# KiCad board nf_tpu.kicad_pcb (continued)
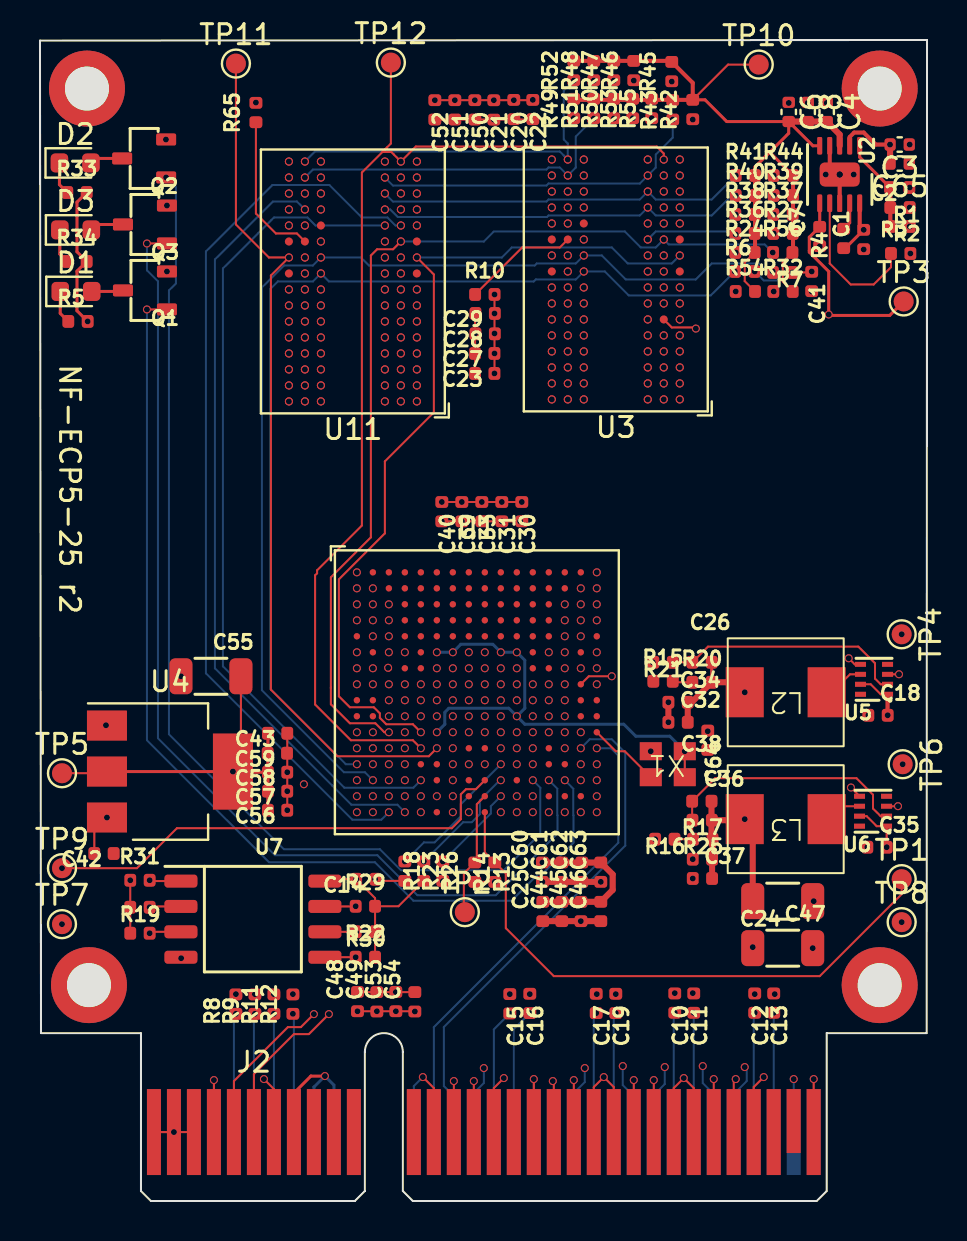
[diagram p0: board, top side]
## Footprints (pads in the part's own frame, mm; a bottom-side part is the same pattern mirrored in y, then rotated)
BGA-96_9.0x13.0mm_Layout2x3x16_P0.8mm
  round 0.4 smd: A1(-3.2,6) A2(-2.4,6) A3(-1.6,6) A7(1.6,6) A8(2.4,6) A9(3.2,6) B1(-3.2,5.2) B2(-2.4,5.2) B3(-1.6,5.2) B7(1.6,5.2) B8(2.4,5.2) B9(3.2,5.2) C1(-3.2,4.4) C2(-2.4,4.4) C3(-1.6,4.4) C7(1.6,4.4) C8(2.4,4.4) C9(3.2,4.4) D1(-3.2,3.6) D2(-2.4,3.6) D3(-1.6,3.6) D7(1.6,3.6) D8(2.4,3.6) D9(3.2,3.6) E1(-3.2,2.8) E2(-2.4,2.8) E3(-1.6,2.8) E7(1.6,2.8) E8(2.4,2.8) E9(3.2,2.8) F1(-3.2,2) F2(-2.4,2) F3(-1.6,2) F7(1.6,2) F8(2.4,2) F9(3.2,2) G1(-3.2,1.2) G2(-2.4,1.2) G3(-1.6,1.2) G7(1.6,1.2) G8(2.4,1.2) G9(3.2,1.2) H1(-3.2,0.4) H2(-2.4,0.4) H3(-1.6,0.4) H7(1.6,0.4) H8(2.4,0.4) H9(3.2,0.4) J1(-3.2,-0.4) J2(-2.4,-0.4) J3(-1.6,-0.4) J7(1.6,-0.4) J8(2.4,-0.4) J9(3.2,-0.4) K1(-3.2,-1.2) K2(-2.4,-1.2) K3(-1.6,-1.2) K7(1.6,-1.2) K8(2.4,-1.2) K9(3.2,-1.2) L1(-3.2,-2) L2(-2.4,-2) L3(-1.6,-2) L7(1.6,-2) L8(2.4,-2) L9(3.2,-2) M1(-3.2,-2.8) M2(-2.4,-2.8) M3(-1.6,-2.8) M7(1.6,-2.8) M8(2.4,-2.8) M9(3.2,-2.8) N1(-3.2,-3.6) N2(-2.4,-3.6) N3(-1.6,-3.6) N7(1.6,-3.6) N8(2.4,-3.6) N9(3.2,-3.6) P1(-3.2,-4.4) P2(-2.4,-4.4) P3(-1.6,-4.4) P7(1.6,-4.4) P8(2.4,-4.4) P9(3.2,-4.4) R1(-3.2,-5.2) R2(-2.4,-5.2) R3(-1.6,-5.2) R7(1.6,-5.2) R8(2.4,-5.2) R9(3.2,-5.2) T1(-3.2,-6) T2(-2.4,-6) T3(-1.6,-6) T7(1.6,-6) T8(2.4,-6) T9(3.2,-6)
BGA-256_14.0x14.0mm_Layout16x16_P0.8mm_Ball0.45mm_Pad0.32mm_NSMD
  round 0.32 smd: A1(-6,6) A2(-5.2,6) A3(-4.4,6) A4(-3.6,6) A5(-2.8,6) A6(-2,6) A7(-1.2,6) A8(-0.4,6) A9(0.4,6) A10(1.2,6) A11(2,6) A12(2.8,6) A13(3.6,6) A14(4.4,6) A15(5.2,6) A16(6,6) B1(-6,5.2) B2(-5.2,5.2) B3(-4.4,5.2) B4(-3.6,5.2) B5(-2.8,5.2) B6(-2,5.2) B7(-1.2,5.2) B8(-0.4,5.2) B9(0.4,5.2) B10(1.2,5.2) B11(2,5.2) B12(2.8,5.2) B13(3.6,5.2) B14(4.4,5.2) B15(5.2,5.2) B16(6,5.2) C1(-6,4.4) C2(-5.2,4.4) C3(-4.4,4.4) C4(-3.6,4.4) C5(-2.8,4.4) C6(-2,4.4) C7(-1.2,4.4) C8(-0.4,4.4) C9(0.4,4.4) C10(1.2,4.4) C11(2,4.4) C12(2.8,4.4) C13(3.6,4.4) C14(4.4,4.4) C15(5.2,4.4) C16(6,4.4) D1(-6,3.6) D2(-5.2,3.6) D3(-4.4,3.6) D4(-3.6,3.6) D5(-2.8,3.6) D6(-2,3.6) D7(-1.2,3.6) D8(-0.4,3.6) D9(0.4,3.6) D10(1.2,3.6) D11(2,3.6) D12(2.8,3.6) D13(3.6,3.6) D14(4.4,3.6) D15(5.2,3.6) D16(6,3.6) E1(-6,2.8) E2(-5.2,2.8) E3(-4.4,2.8) E4(-3.6,2.8) E5(-2.8,2.8) E6(-2,2.8) E7(-1.2,2.8) E8(-0.4,2.8) E9(0.4,2.8) E10(1.2,2.8) E11(2,2.8) E12(2.8,2.8) E13(3.6,2.8) E14(4.4,2.8) E15(5.2,2.8) E16(6,2.8) F1(-6,2) F2(-5.2,2) F3(-4.4,2) F4(-3.6,2) F5(-2.8,2) F6(-2,2) F7(-1.2,2) F8(-0.4,2) F9(0.4,2) F10(1.2,2) F11(2,2) F12(2.8,2) F13(3.6,2) F14(4.4,2) F15(5.2,2) F16(6,2) G1(-6,1.2) G2(-5.2,1.2) G3(-4.4,1.2) G4(-3.6,1.2) G5(-2.8,1.2) G6(-2,1.2) G7(-1.2,1.2) G8(-0.4,1.2) G9(0.4,1.2) G10(1.2,1.2) G11(2,1.2) G12(2.8,1.2) G13(3.6,1.2) G14(4.4,1.2) G15(5.2,1.2) G16(6,1.2) H1(-6,0.4) H2(-5.2,0.4) H3(-4.4,0.4) H4(-3.6,0.4) H5(-2.8,0.4) H6(-2,0.4) H7(-1.2,0.4) H8(-0.4,0.4) H9(0.4,0.4) H10(1.2,0.4) H11(2,0.4) H12(2.8,0.4) H13(3.6,0.4) H14(4.4,0.4) H15(5.2,0.4) H16(6,0.4) J1(-6,-0.4) J2(-5.2,-0.4) J3(-4.4,-0.4) J4(-3.6,-0.4) J5(-2.8,-0.4) J6(-2,-0.4) J7(-1.2,-0.4) J8(-0.4,-0.4) J9(0.4,-0.4) J10(1.2,-0.4) J11(2,-0.4) J12(2.8,-0.4) J13(3.6,-0.4) J14(4.4,-0.4) J15(5.2,-0.4) J16(6,-0.4) K1(-6,-1.2) K2(-5.2,-1.2) K3(-4.4,-1.2) K4(-3.6,-1.2) K5(-2.8,-1.2) K6(-2,-1.2) K7(-1.2,-1.2) K8(-0.4,-1.2) K9(0.4,-1.2) K10(1.2,-1.2) K11(2,-1.2) K12(2.8,-1.2) K13(3.6,-1.2) K14(4.4,-1.2) K15(5.2,-1.2) K16(6,-1.2) L1(-6,-2) L2(-5.2,-2) L3(-4.4,-2) L4(-3.6,-2) L5(-2.8,-2) L6(-2,-2) L7(-1.2,-2) L8(-0.4,-2) L9(0.4,-2) L10(1.2,-2) L11(2,-2) L12(2.8,-2) L13(3.6,-2) L14(4.4,-2) L15(5.2,-2) L16(6,-2) M1(-6,-2.8) M2(-5.2,-2.8) M3(-4.4,-2.8) M4(-3.6,-2.8) M5(-2.8,-2.8) M6(-2,-2.8) M7(-1.2,-2.8) M8(-0.4,-2.8) M9(0.4,-2.8) M10(1.2,-2.8) M11(2,-2.8) M12(2.8,-2.8) M13(3.6,-2.8) M14(4.4,-2.8) M15(5.2,-2.8) M16(6,-2.8) N1(-6,-3.6) N2(-5.2,-3.6) N3(-4.4,-3.6) N4(-3.6,-3.6) N5(-2.8,-3.6) N6(-2,-3.6) N7(-1.2,-3.6) N8(-0.4,-3.6) N9(0.4,-3.6) N10(1.2,-3.6) N11(2,-3.6) N12(2.8,-3.6) N13(3.6,-3.6) N14(4.4,-3.6) N15(5.2,-3.6) N16(6,-3.6) P1(-6,-4.4) P2(-5.2,-4.4) P3(-4.4,-4.4) P4(-3.6,-4.4) P5(-2.8,-4.4) P6(-2,-4.4) P7(-1.2,-4.4) P8(-0.4,-4.4) P9(0.4,-4.4) P10(1.2,-4.4) P11(2,-4.4) P12(2.8,-4.4) P13(3.6,-4.4) P14(4.4,-4.4) P15(5.2,-4.4) P16(6,-4.4) R1(-6,-5.2) R2(-5.2,-5.2) R3(-4.4,-5.2) R4(-3.6,-5.2) R5(-2.8,-5.2) R6(-2,-5.2) R7(-1.2,-5.2) R8(-0.4,-5.2) R9(0.4,-5.2) R10(1.2,-5.2) R11(2,-5.2) R12(2.8,-5.2) R13(3.6,-5.2) R14(4.4,-5.2) R15(5.2,-5.2) R16(6,-5.2) T1(-6,-6) T2(-5.2,-6) T3(-4.4,-6) T4(-3.6,-6) T5(-2.8,-6) T6(-2,-6) T7(-1.2,-6) T8(-0.4,-6) T9(0.4,-6) T10(1.2,-6) T11(2,-6) T12(2.8,-6) T13(3.6,-6) T14(4.4,-6) T15(5.2,-6) T16(6,-6)
BUS_PCIexpress_x4
  rect 0.7x3.2 smd far side: A1(0,0.55)
  rect 0.7x4.3 smd far side: A2(1,0) A3(2,0) A4(3,0) A5(4,0) A6(5,0) A7(6,0) A8(7,0) A9(8,0) A10(9,0) A11(10,0) A12(13,0) A13(14,0) A14(15,0) A15(16,0) A16(17,0) A17(18,0) A18(19,0) A19(20,0) A20(21,0) A21(22,0) A22(23,0) A23(24,0) A24(25,0) A25(26,0) A26(27,0) A27(28,0) A28(29,0) A29(30,0) A30(31,0) A31(32,0) A32(33,0)
  rect 0.7x4.3 smd: B1(0,0) B2(1,0) B3(2,0) B4(3,0) B5(4,0) B6(5,0) B7(6,0) B8(7,0) B9(8,0) B10(9,0) B11(10,0) B12(13,0) B13(14,0) B14(15,0) B15(16,0) B16(17,0) B17(18,0) B18(19,0) B19(20,0) B20(21,0) B21(22,0) B22(23,0) B23(24,0) B24(25,0) B25(26,0) B26(27,0) B27(28,0) B28(29,0) B29(30,0) B30(31,0) B32(33,0)
  rect 0.7x3.2 smd: B31(32,0.55)
C_0402_1005Metric
  rrect 0.59x0.64 smd: 1(-0.484,0) 2(0.484,0)
C_1206_3216Metric
  rrect 1.15x1.8 smd: 1(-1.5,-0.001) 2(1.5,-0.001)
LED_0603_1608Metric
  rrect 0.875x0.95 smd: 1(-0.787,0) 2(0.787,0)
MHCI05030
  rect 1.9x2.5 smd: 1(-2,0) 2(2.1,0)
MountingHole_2.2mm_M2_DIN965_Pad
  round 3.8 hole 2.2: 1(0,0)
nf_osci_100mhz
  rect 1.1x0.9 smd: 1(-0.9,-0.6) 2(0.8,-0.6) 3(0.8,0.7) 4(-0.9,0.7)
QFN-8_2x1mm
  rect 0.55x0.25 smd: 1(-0.677,0.75) 2(-0.677,0.25) 3(-0.677,-0.248) 4(-0.677,-0.748) 5(0.675,-0.748) 6(0.675,-0.248) 7(0.675,0.25) 8(0.675,0.75)
R_0402_1005Metric
  rrect 0.59x0.64 smd: 1(-0.485,0) 2(0.485,0)
SOIC-8-1EP_5.3x5.3x2mm_P1.27mm
  rrect 1.65x0.65 smd: 1(-3.601,1.905) 2(-3.601,0.635) 3(-3.601,-0.633) 4(-3.601,-1.904) 5(3.6,-1.904) 6(3.6,-0.633) 7(3.6,0.635) 8(3.6,1.905)
SOT-23-3
  rrect 1x0.6 smd: 1(-1.1,0.951) 2(-1.1,-0.949) 3(1.1,0.001)
SOT-223-3_TabPin2
  rect 2x1.5 smd: 1(-3.15,2.3) 2(-3.15,0) 3(-3.15,-2.3)
  rect 2x3.8 smd: 2(3.15,0)
TestPoint_Pad_D1.0mm
  round 1 smd: 1(0,0)
VSON-10-1EP_3x3mm
  rrect 0.48x0.81 smd: (-0.3,0.51) (-0.3,-0.488) (0.299,0.51) (0.299,-0.488)
  rrect 0.875x0.25 smd: 1(-1.438,1.01) 2(-1.438,0.51) 3(-1.438,0.011) 4(-1.438,-0.488) 5(-1.438,-0.988) 6(1.437,-0.988) 7(1.437,-0.488) 8(1.437,0.011) 9(1.437,0.51) 10(1.437,1.01)
  rrect 1.2x2 smd: 11(0,0.011)

## Nets
GND: C1.1 C2.1 C3.1 C4.1 C6.1 C7.1 C8.1 C14.1 C18.1 C20.1 C21.1 C22.1 C23.1 C24.1 C25.1 C27.1 C28.1 C29.1 C30.1 C31.1 C32.1 C33.1 C34.1 C35.1 C37.1 C38.1 C39.1 C40.1 C41.2 C43.1 C44.1 C45.1 C46.1 C47.1 C48.1 C49.1 C50.1 C51.1 C52.1 C53.1 C54.1 C55.1 C56.1 C57.1 C58.1 C59.1 C60.1 C61.1 C62.1 C63.1 C64.1 C65.1 J2.A4 J2.A12 J2.A15 J2.A18 J2.A20 J2.A23 J2.A24 J2.A27 J2.A28 J2.A31 J2.B4 J2.B7 J2.B13 J2.B16 J2.B18 J2.B21 J2.B22 J2.B25 J2.B26 J2.B29 J2.B32 NOREF.1 NOREF#2.1 NOREF#3.1 NOREF#4.1 Q1.2 Q2.2 Q3.2 R2.1 R10.2 R16.2 R18.2 R21.2 R26.2 R65.2 TP8.1 U1.A1 U1.A16 U1.D2 U1.D15 U1.F8 U1.F9 U1.G8 U1.G10 U1.H1 U1.H8 U1.H9 U1.H10 U1.H16 U1.J8 U1.J9 U1.J10 U1.K6 U1.K7 U1.K8 U1.K9 U1.K10 U1.N2 U1.N15 U1.T1 U1.T5 U1.T12 U1.T16 U2.4 U2.8 U2.11 U3.A9 U3.B1 U3.B3 U3.B9 U3.D1 U3.D8 U3.E1 U3.E2 U3.E8 U3.F9 U3.G1 U3.G8 U3.G9 U3.J2 U3.J8 U3.M1 U3.M9 U3.P1 U3.P9 U3.T1 U3.T9 U4.1 U5.3 U5.5 U6.3 U6.5 U7.4 U11.A9 U11.B1 U11.B3 U11.B9 U11.D1 U11.D8 U11.E1 U11.E2 U11.E8 U11.F9 U11.G1 U11.G8 U11.G9 U11.J2 U11.J8 U11.M1 U11.M9 U11.P1 U11.P9 U11.T1 U11.T9 X1.2
VCC3V3: C1.2 C14.2 C18.2 C35.2 C42.2 C47.2 C48.2 C49.2 C53.2 C54.2 C64.2 J2.A9 J2.A10 J2.B8 R3.2 R4.1 R5.2 R13.2 R14.2 R19.2 R22.2 R23.2 R28.2 R29.2 R30.1 R31.1 R33.2 R34.2 TP7.1 U1.F6 U1.F7 U1.F10 U1.F11 U1.K11 U1.L6 U1.L11 U2.10 U4.3 U5.1 U5.7 U6.1 U6.7 U7.8 X1.1 X1.4
VCCAUX: C43.2 C55.2 C56.2 C57.2 C58.2 C59.2 TP5.1 U1.G11 U1.L7 U4.2
VCCDDR3: C3.2 C20.2 C21.2 C22.2 C23.2 C26.2 C27.2 C28.2 C29.2 C30.2 C31.2 C32.2 C33.2 C34.2 C39.2 C40.2 C50.2 C51.2 C52.2 C65.2 L2.2 R1.1 R20.2 TP4.1 U1.H6 U1.H7 U1.H11 U1.J6 U1.J7 U1.J11 U2.2 U3.A1 U3.A8 U3.B2 U3.C1 U3.C9 U3.D2 U3.D9 U3.E9 U3.F1 U3.G7 U3.H2 U3.H9 U3.K2 U3.K8 U3.N1 U3.N9 U3.R1 U3.R9 U11.A1 U11.A8 U11.B2 U11.C1 U11.C9 U11.D2 U11.D9 U11.E9 U11.F1 U11.G7 U11.H2 U11.H9 U11.K2 U11.K8 U11.N1 U11.N9 U11.R1 U11.R9
VCCINT: C24.2 C25.2 C36.2 C37.2 C38.2 C44.2 C45.2 C46.2 C60.2 C61.2 C62.2 C63.2 L3.2 R17.1 R25.1 TP6.1 U1.G6 U1.G7 U1.G9 U1.L8 U1.L9 U1.L10
A0: R40.1 U1.M1 U3.N3 U11.N3
A1: R50.1 U1.L4 U3.P7 U11.P7
A2: R41.1 U1.P3 U3.P3 U11.P3
A3: R39.1 U1.N3 U3.N2 U11.N2
A4: R47.1 U1.M3 U3.P8 U11.P8
A5: R44.1 U1.P1 U3.P2 U11.P2
A6: R51.1 U1.R5 U3.R8 U11.R8
A7: R42.1 U1.R2 U3.R2 U11.R2
A8: R52.1 U1.R4 U3.T8 U11.T8
A9: R43.1 U1.P4 U3.R3 U11.R3
A10: R55.1 U1.K5 U3.L7 U11.L7
A11: R48.1 U1.N4 U3.R7 U11.R7
A12: R53.1 U1.K4 U3.N7 U11.N7
A13: R45.1 U1.R3 U3.T3 U11.T3
A14: R49.1 U1.T2 U3.T7 U11.T7
BA0: R37.1 U1.T3 U3.M2 U11.M2
BA1: R46.1 U1.T4 U3.N8 U11.N8
BA2: R38.1 U1.P5 U3.M3 U11.M3
CAS_N: R27.1 U1.L1 U3.K3 U11.K3
CK+: R6.1 U1.N1 U3.J7 U11.J7
CK-: R7.2 U1.P2 U3.K7 U11.K7
CKE: R54.1 TP11.1 U1.M6 U3.K9 U11.K9
CS_N: R56.1 U1.L3 U3.L2 U11.L2
DDR3_VREF: C7.2 TP3.1 U1.G3 U1.G14 U1.R1 U2.6 U3.H1 U3.M8 U11.H1 U11.M8
DDR3_VTT: C4.2 C6.2 C8.2 R24.2 R27.2 R32.2 R36.2 R37.2 R38.2 R39.2 R40.2 R41.2 R42.2 R43.2 R44.2 R45.2 R46.2 R47.2 R48.2 R49.2 R50.2 R51.2 R52.2 R53.2 R54.2 R55.2 R56.2 TP10.1 U2.3 U2.5
DM0: U1.H5 U11.E7
DM1: U1.B1 U11.D3
DM2: U1.K14 U3.E7
DM3: U1.E14 U3.D3
DQ0: U1.F1 U11.E3
DQ1: U1.H4 U11.F7
DQ2: U1.G2 U11.F2
DQ3: U1.J4 U11.F8
DQ4: U1.J3 U11.H3
DQ5: U1.K3 U11.H8
DQ6: U1.H3 U11.G2
DQ7: U1.J5 U11.H7
DQ8: U1.D3 U11.D7
DQ9: U1.C1 U11.C3
DQ10: U1.E3 U11.C8
DQ11: U1.C2 U11.C2
DQ12: U1.F4 U11.A7
DQ13: U1.C3 U11.A2
DQ14: U1.F3 U11.B8
DQ15: U1.B2 U11.A3
DQ16: U1.F16 U3.E3
DQ17: U1.H14 U3.F7
DQ18: U1.G15 U3.F2
DQ19: U1.H13 U3.F8
DQ20: U1.J13 U3.H3
DQ21: U1.H12 U3.H8
DQ22: U1.J14 U3.G2
DQ23: U1.J12 U3.H7
DQ24: U1.F14 U3.D7
DQ25: U1.C14 U3.C3
DQ26: U1.F13 U3.C8
DQ27: U1.C15 U3.C2
DQ28: U1.B16 U3.A7
DQ29: U1.B15 U3.A2
DQ30: U1.C16 U3.B8
DQ31: U1.D14 U3.A3
DQS0+: U1.G1 U11.F3
DQS0-: U1.H2 U11.G3
DQS1+: U1.D1 U11.C7
DQS1-: U1.E2 U11.B7
DQS2+: U1.G16 U3.F3
DQS2-: U1.H15 U3.G3
DQS3+: U1.D16 U3.C7
DQS3-: U1.E15 U3.B7
ext_clk: U1.L16 X1.3
FPGA_DONE: TP9.1 U1.P9
JTAG_TCK: R8.2 U1.T10
JTAG_TDI: R9.2 U1.R11
JTAG_TDO: R11.2 U1.M10
JTAG_TMS: R12.2 U1.T11
ODT: R32.1 U1.L5 U3.K1 U11.K1
pcie_3v3_aux: J2.B10
pcie_12v: J2.A2 J2.A3 J2.B1 J2.B2 J2.B3
pcie_r0+: J2.B14 U1.N16
pcie_r0-: J2.B15 U1.P15
pcie_r1+: J2.B19 U1.P16
pcie_r1-: J2.B20 U1.R16
pcie_r2+: J2.B23 U1.K12
pcie_r2-: J2.B24 U1.K13
pcie_r3+: J2.B27 U1.M14
pcie_r3-: J2.B28 U1.L14
pcie_refclk+: J2.A13 U1.M16
pcie_refclk-: J2.A14 U1.M15
pcie_smclk: J2.B5 U1.M11
pcie_smdat: J2.B6 U1.N11
pcie_t0+: C15.1 U1.R12
pcie_t0-: C16.1 U1.T13
pcie_t1+: C17.1 U1.T14
pcie_t1-: C19.1 U1.T15
pcie_t2+: C10.1 U1.M12
pcie_t2-: C11.1 U1.N12
pcie_t3+: C12.1 U1.L12
pcie_t3-: C13.1 U1.L13
QSPI0_CLK: R30.2 U1.N9 U7.6
QSPI0_CS_N: R31.2 U1.N8 U7.1
QSPI0_D0: R22.1 U1.T8 U7.5
QSPI0_D1: R19.1 U1.T7 U7.2
QSPI0_D2: R28.1 U1.M7 U7.3
QSPI0_D3: R29.1 U1.N7 U7.7
RAS_N: R24.1 U1.L2 U3.J3 U11.J3
RESET_N: TP12.1 U1.M5 U3.T2 U11.T2
USR_LED0: Q2.1 U1.P12
USR_LED1: Q3.1 U1.P13
USR_LED2: Q1.1 U1.P14
WE_N: R36.1 U1.M2 U3.L3 U11.L3
Net-(C41-Pad1): C41.1 R6.2 R7.1
Net-(D1-Pad1): D1.1 R5.1
Net-(D2-Pad1): D2.1 R33.1
Net-(D3-Pad1): D3.1 R34.1
Net-(J2-JTAG2): J2.A5 R8.1
Net-(J2-JTAG3): J2.A6 R9.1
Net-(J2-JTAG4): J2.A7 R11.1
Net-(J2-JTAG5): J2.A8 R12.1
Net-(J2-PERn0): C16.2 J2.A17
Net-(J2-PERn1): C19.2 J2.A22
Net-(J2-PERn2): C11.2 J2.A26
Net-(J2-PERn3): C13.2 J2.A30
Net-(J2-PERp0): C15.2 J2.A16
Net-(J2-PERp1): C17.2 J2.A21
Net-(J2-PERp2): C10.2 J2.A25
Net-(J2-PERp3): C12.2 J2.A29
Net-(Q1-D): D1.2 Q1.3
Net-(Q2-D): D2.2 Q2.3
Net-(Q3-D): D3.2 Q3.3
Net-(R15-Pad2): R15.2 R20.1
Net-(U1H-CFG_0): R18.1 U1.N10
Net-(U1H-CFG_1): R23.1 U1.P10
Net-(U1H-CFG_2): R26.1 U1.R10
Net-(U1H-INITN): R13.1 TP1.1 U1.T9
Net-(U1H-PROGRAMN): R14.1 TP2.1 U1.R9
Net-(U2-EN): R3.1 U2.7
Net-(U2-PGOOD): R4.2 U2.9
Net-(U2-REFIN): C2.2 R1.2 R2.2 U2.1
Net-(U3-ZQ): R10.1 U3.L8
Net-(U5-FB): C26.1 R15.1 R21.1 U5.2
Net-(U5-SW): L2.1 U5.6
Net-(U6-FB): C36.1 R16.1 R17.2 R25.2 U6.2
Net-(U6-SW): L3.1 U6.6
Net-(U11-ZQ): R65.1 U11.L8

Pads without a net: C42 1; J2 A1 A11 A19 A32 B9 B11 B12 B17 B30 B31; U1 A2 A3 A4 A5 A6 A7 A8 A9 A10 A11 A12 A13 A14 A15 B3 B4 B5 B6 B7 B8 B9 B10 B11 B12 B13 B14 C4 C5 C6 C7 C8 C9 C10 C11 C12 C13 D4 D5 D6 D7 D8 D9 D10 D11 D12 D13 E1 E4 E5 E6 E7 E8 E9 E10 E11 E12 E13 E16 F2 F5 F12 F15 G4 G5 G12 G13 J1 J2 J15 J16 K1 K2 K15 K16 L15 M4 M8 M9 M13 N5 N6 N13 N14 P6 P7 P8 P11 R6 R7 R8 R13 R14 R15 T6; U3 J1 J9 L1 L9 M7; U5 4 8; U6 4 8; U11 J1 J9 L1 L9 M7

## Via types
v1: diameter 0.4, hole 0.3, Top to Bottom, 534 vias

## Routing (per net, layer and track width the routed paths; a pad name or vN(x,y) marks a point on that pad's centre or on a via; arc(x,y) is an arc through that point)
GND: length 116.9
  Top w0.1: J2.B16 22.7,5.65 v1(23.2,6.15) ; v1(15.88,9.49) v1(16.85,9.49) ; v1(16.85,9.49) 18.74,9.49 v1(18.75,9.48) ; v1(16.85,9.49) C49.1 ; J2.B13 19.7,5.65 v1(19.15,6.2) ; v1(42.92,19.75) 42.91,19.75 U6.3 42.19,19.75 ; C1.1 v1(41.2,47.6) ; J2.B21 27.7,5.7 v1(28.2,6.2) 28.7,5.7 J2.B22 ; 10.8,54.94 v1(10.8,54.95) ; v1(11.2,6.1) 11.7,5.6 J2.B7 ; v1(22.73,44.4) v1(22.73,43.4) ; v1(22.73,44.4) v1(22.73,45.35) ; v1(22.73,44.4) C29.1 ; v1(22.73,43.4) 22.75,43.39 C28.1 ; v1(22.73,43.4) v1(22.73,42.4) ; R26.2 v1(20.15,16) ; 41.1,20.25 41,20.25 v1(40.56,20.68) ; 43.48,52.85 v1(43.5,52.85) ; C2.1 v1(43.5,50.7) ; v1(24.65,55.08) 24.63,55.07 v1(23.7,55.07) ; J2.B26 32.7,5.65 v1(32.2,6.15) 31.7,5.65 J2.B25 ; 38.65,15 v1(38.7,15) ; R18.2 16.86,16.02 C14.1 v1(16.76,16.1) ; 41.31,17.7 v1(41.38,17.7) 41.37,17.7 41.37,17.7 ; v1(42.97,26.35) 42.96,26.35 U5.3 ; C20.1 v1(23.7,55.07) ; v1(23.7,55.07) v1(22.7,55.07) ; v1(7.06,12.15) 7.05,12.16 U7.4 ; J2.A4 v1(8.7,6.05) ; v1(36.2,6.2) 35.7,5.7 J2.B29 ; Q2.2 6.3,53.1 v1(6.3,53.1) ; v1(40.45,27.15) 40.75,26.85 U5.5 ; C4.1 v1(39.35,54.93) ; J2.A18 v1(24.7,6.1) ; v1(22.7,55.07) v1(19.75,55.07) ; v1(22.7,55.07) C21.1 ; 38.8,47.62 38.8,47.6 ; C27.1 v1(22.73,42.4) ; v1(22.73,42.4) 22.73,41.4 v1(22.73,41.4) ; C64.1 v1(33.4,23.5) ; C6.1 v1(37.45,54.93) ; J2.B32 v1(38.7,6.1) ; C8.1 v1(38.4,54.93) ; v1(12.37,19.55) C43.1 ; v1(20.1,34.97) v1(24.1,34.97) ; v1(3.3,23.8) 3.32,23.78 U4.1 ; C47.1 v1(35.65,12.7)
  Top w0.15: C25.1 v1(27.05,14) ; v1(27.05,14) C45.1 ; v1(27.05,14) C46.1 ; R21.2 v1(30.65,26.95) ; C7.1 v1(39,47.75)
  Top w0.2: U2.8 v1(40,51.35) 39.5,51.85 U2.4
  Top w0.3: 30.83,18.04 v1(30.77,18.1) ; C65.1 v1(43.5,51.9) ; v1(31.43,24.95) v1(31.43,23.95) ; C25.1 C46.1 ; v1(25.13,15.97) v1(28.05,15.97)
  GND w0.1: v1(16.65,21.85) 16.22,21.43 16.22,19.83 v1(15.85,19.45) ; v1(30.55,22.5) 30.33,22.28 27.47,22.28 v1(27.05,21.85)
  GND w0.15: v1(16.65,21.85) 17.05,22.25 17.05,24.65 v1(15.85,25.85) ; v1(21.45,25.05) 21.22,25.05 20.65,24.48 v1(20.65,24.25) ; v1(23.05,25.05) 23.45,25.45 23.45,26.02 23.68,26.25 24.02,26.25 24.25,26.48 24.25,26.82 24.02,27.05 23.45,27.05 v1(23.05,26.65)
  Bottom w0.1: J2.A24 30.7,5.3 31.25,5.85 v1(31.25,6.7) ; J2.A20 26.7,5.4 27.25,5.95 v1(27.25,6.65) ; J2.A28 34.7,5.35 35.35,6 35.35,6.6 v1(35.25,6.7) ; J2.A18 v1(24.7,6.1) ; J2.A15 21.7,5.4 22.2,5.9 v1(22.2,6.65) ; J2.A4 v1(8.7,6.05) ; v1(33.15,6.75) 33.15,5.9 33.7,5.35 J2.A27 ; J2.A31 v1(37.7,6.1) ; v1(19.15,6.2) 18.7,5.75 J2.A12 ; v1(29.15,6.75) 29.15,5.8 29.7,5.25 J2.A23
  vias: v1(6.35,49.8) v1(6.35,46.5) v1(7.05,26.25) v1(12.37,21.45) v1(12.37,20.5) v1(12.45,52) v1(12.45,50.4) v1(12.45,48.8) v1(12.45,44.8) v1(12.45,44) v1(12.45,40.8) v1(12.45,40) v1(13.25,46.4) v1(13.25,44.8) v1(13.25,43.2) v1(13.25,42.4) v1(15.85,31.45) v1(16.65,29.05) v1(17.25,40.8) v1(17.8,9.49) v1(18.05,46.4) v1(18.05,43.2) v1(18.85,52) v1(18.85,50.4) v1(18.85,48.8) v1(18.85,44.8) v1(18.85,43.2) v1(18.85,42.4) v1(18.85,40.8) v1(19.05,19.45) v1(19.85,24.25) v1(20.75,55.07) v1(21.1,34.97) v1(21.45,27.45) v1(21.45,26.65) v1(21.45,25.85) v1(21.45,24.25) v1(21.75,55.07) v1(22.1,34.97) v1(22.25,27.45) v1(22.25,25.85) v1(22.25,25.05) v1(22.25,24.25) v1(23.05,25.85) v1(23.05,24.25) v1(23.1,34.97) v1(24.65,19.45) v1(25.6,52.1) v1(25.6,50.5) v1(25.6,48.9) v1(25.6,44.9) v1(25.6,44.1) v1(25.6,40.9) v1(25.6,40.1) v1(26.4,46.5) v1(26.4,44.9) v1(26.4,43.3) v1(26.4,42.5) v1(27.05,29.05) v1(27.85,31.45) v1(27.85,25.85) v1(27.85,19.45) v1(30.4,40.9) v1(31.2,46.5) v1(31.2,43.3) v1(32,52.1) v1(32,50.5) v1(32,48.9) v1(32,44.9) v1(32,43.3) v1(32,42.5) v1(32,40.9) v1(32.65,17.1) v1(32.65,16.13) v1(38.6,45.5) v1(39.3,51.35) v1(40.7,51.35) v1(41.43,24.3) v1(43.1,13.95) v1(43.5,48.75)
VCC3V3: length 150
  Top w0.1: J2.B8 12.7,5.25 ; 2.7,17.37 C42.2 2.72,18.55 v1(3.35,19.18) ; R29.2 R22.2 ; R29.2 16.76,15.15 v1(15.82,16.1) 14.34,16.1 U7.8 ; R29.2 17.93,14.75 R23.2 ; U5.1 42.05,25.35 41.55,25.85 U5.7 ; R14.2 v1(22.75,15.97) ; C47.2 v1(38.65,12.65) ; C53.2 v1(17.8,10.45) ; v1(17.8,10.45) C54.2 ; v1(17.8,10.45) 15.89,10.45 C48.2 ; X1.4 v1(32.25,22.5) 32.32,22.57 C64.2 ; R28.2 v1(4.52,16.05) ; U6.7 41.35,19.25 41.85,18.75 U6.1 42.35,18.74 v1(42.35,17.7)
  Top w0.15: R4.1 40.28,47.67 v1(41.2,48.58) ; R33.2 1.85,49.97 1.85,47.49 R34.2 1.85,46.52 1.85,44.54 v1(2.39,44) ; 12.7,5.25 12.7,5.4 13.55,6.25 v1(14.25,6.25)
  Top w0.2: U2.10 41,48.79 v1(41.2,48.58) ; U5.1 42.39,24.31 v1(42.4,24.3)
  VCC w0.1: v1(13.2,20.85) 13.38,20.68 16.01,20.68 16.28,20.41 16.28,16.56 v1(15.82,16.1)
  VCC w0.15: 42.5,46.55 42.5,46.87 41.2,48.17 v1(41.2,48.58) ; 42.5,46.55 43.35,47.4 v1(43.53,47.4) ; 42.5,46.55 42.5,30.6 43.65,29.45 43.65,23.95 42.2,22.5 v1(32.25,22.5) ; v1(2.39,44) 2.39,20.15 v1(3.35,19.18)
  VCC w0.2: v1(32.25,22.5) 40.6,22.5 v1(42.4,24.3)
  Bottom w0.15: v1(19.85,23.45) 20.25,23.85 20.25,24.45 20.45,24.65 23.45,24.65 v1(23.85,24.25) ; v1(19.85,27.45) v1(20.65,27.45) 21.05,27.85 22.65,27.85 v1(23.05,27.45) v1(23.85,27.45) 24.25,27.05 24.25,24.65 v1(23.85,24.25) ; J2.A10 14.7,5.8 v1(14.25,6.25) 13.7,5.7 J2.A9 ; v1(23.85,24.25) 24.25,23.85 29.2,23.85 29.8,23.25 31.5,23.25 v1(32.25,22.5)
  vias: v1(1.1,13.85) v1(23.85,23.45)
VCCAUX: length 36.2
  Top w0.1: v1(9.65,21.48) 10.05,21.88 C55.2 ; U4.2 3.27,21.4 TP5.1
  Top w0.15: U4.2 v1(9.65,21.48) 9.68,21.45 C58.2 ; C56.2 C43.2
  GND w0.15: v1(20.65,23.45) 21.05,23.85 21.05,24.42 21.28,24.65 21.62,24.65 21.85,24.88 21.85,25.22 22.08,25.45 22.42,25.45 22.65,25.68 22.65,26.02 22.88,26.25 23.22,26.25 23.62,26.65 v1(23.85,26.65)
  VCC w0.15: v1(9.65,21.48) 11.22,23.05 20.25,23.05 v1(20.65,23.45)
VCCDDR3: length 58.2
  Top w0.1: C28.2 v1(21.76,43.4) ; v1(21.76,43.4) 21.76,44.38 C29.2 ; v1(21.76,43.4) C23.2 ; C21.2 v1(22.7,54.1) ; v1(22.7,54.1) 24.63,54.1 C22.2 ; v1(22.7,54.1) C52.2 ; v1(20.1,34) v1(24.02,34) ; 33.6,25.95 R20.2
  Top w0.15: 34.73,25.45 v1(35.25,25.45) ; 33.6,26.95 33.6,25.95
  Top w0.2: U2.2 40.5,53.23 40.72,53.45 41.2,53.45 41.8,52.85 v1(42.52,52.85)
  Top w0.3: C32.2 C34.2 32.6,24.95 R20.2 34.75,25.95 v1(35.25,25.45) ; C65.2 C3.2
  VCC w0.1: v1(14.05,44.8) 14.45,45.2 17.65,45.2 v1(18.05,45.6) 18.45,45.2 18.45,44.4 v1(18.85,44) ; v1(24.02,34) C30.2 26.62,31.48 26.62,25.69 26.41,25.48 24.22,25.48 v1(23.85,25.85) ; v1(18.05,47.2) 17.65,47.6 13.65,47.6 v1(13.25,47.2) ; v1(20.1,34) 17.05,30.95 17.05,26.98 16.95,26.88 17.03,26.81 17.03,26.49 16.98,26.45 17.05,26.37 17.05,25.73 17.08,25.71 17.08,25.69 17.29,25.48 17.61,25.48 17.62,25.49 18.08,25.49 18.09,25.48 18.41,25.48 18.42,25.49 18.88,25.49 18.89,25.48 19.21,25.48 19.22,25.49 19.48,25.49 v1(19.85,25.85)
  vias: v1(12.45,51.2) v1(12.45,49.6) v1(12.45,45.6) v1(12.45,43.2) v1(12.45,42.4) v1(12.45,41.6) v1(13.25,40) v1(18.05,42.4) v1(18.05,40.8) v1(18.85,51.2) v1(18.85,49.6) v1(18.85,41.6) v1(18.85,40) v1(19.85,25.05) v1(20.65,25.85) v1(20.65,25.05) v1(21.1,34) v1(22.1,34) v1(23.1,34) v1(23.85,25.05) v1(25.6,51.3) v1(25.6,49.7) v1(25.6,45.7) v1(25.6,43.3) v1(25.6,42.5) v1(25.6,41.7) v1(26.4,47.3) v1(26.4,40.1) v1(27.2,44.9) v1(31.2,47.3) v1(31.2,45.7) v1(31.2,42.5) v1(31.2,40.9) v1(32,51.3) v1(32,49.7) v1(32,44.1) v1(32,41.7) v1(32,40.1) v1(43.1,28.35) v1(43.5,49.7)
VCCINT: length 61.3
  Top w0.1: 35.65,18.59 35.65,15 36.04,15.39 ; 35.2,19.05 v1(35.25,19.1) 35.76,18.59 ; 33.7,18.15 33.75,18.1
  Top w0.15: 33.72,19.05 35.2,19.05
  Top w0.3: C25.2 C46.2 28.64,15.56 28.64,16.34 C63.2 v1(25.13,16.93) ; 35.65,15 35.65,18.7 v1(35.25,19.1) 35.2,19.05 R17.1 ; C37.2 C38.2 33.64,17.12 R25.1 33.59,18.15 C36.2
  VCC w0.1: v1(43.15,21.85) 37.89,21.85 ; 38,21.85 v1(35.25,19.1) ; v1(35.25,19.1) 35.2,19.05 ; v1(35.25,19.1) 34.88,19.1 34.17,19.82
  VCC w0.15: 34.17,19.82 30.93,23.05 24.85,23.05 ; v1(19.85,26.65) v1(20.65,26.65) 21.05,26.25 21.85,26.25 ; 24.85,23.05 25.05,22.85 25.05,18.98 25.13,18.9 v1(25.13,16.93) ; 24.85,23.05 23.45,23.05 v1(23.05,23.45) v1(21.45,23.45) ; 21.85,26.25 v1(22.25,26.65) ; 21.85,26.25 21.85,23.85 v1(22.25,23.45)
(no net): length 6.2
  GND w0.15: 9.05,50.15 9.05,48.4 5.9,45.25
A0: length 55.5
  Top w0.1: R40.1 v1(34.8,50.3)
  In4.Cu w0.1: v1(17.25,49.6) 15.65,49.6 15.25,49.2 11.8,49.2 8.9,46.3 8.9,28.3 14.55,22.65 v1(15.85,22.65)
  Bottom w0.1: v1(17.25,49.6) 17.52,49.6 17.89,49.23 25.36,49.23 25.43,49.3 30,49.3 v1(30.4,49.7) 30.8,49.3 33.6,49.3 34.6,50.3 v1(34.8,50.3)
A1: length 52.2
  Top w0.1: R50.1 v1(28.7,54.15)
  In2.Cu w0.1: v1(18.25,23.45) 17.88,23.08 15.33,23.08 10.85,27.55 10.85,47.9 12.15,49.2 12.7,49.2 12.85,49.35 12.85,49.82 13.01,49.98 13.41,49.98 13.83,50.4 v1(14.05,50.4) 14.35,50.4 14.75,50 19.25,50 19.35,50.1 26.57,50.1 26.97,50.5 v1(27.2,50.5) 27.48,50.5 28.65,51.67 28.65,54.1 v1(28.7,54.15)
A2: length 60.8
  Top w0.1: R41.1 v1(34.8,51.3)
  In4.Cu w0.1: 8.27,31.89 8.28,31.88 8.28,28.22 15.03,21.48 17.03,21.48 v1(17.45,21.05) ; 8.27,31.89 8.27,31.95 ; 8.27,31.89 8.27,31.95 ; v1(17.25,50.4) 16.9,50.4 16.53,50.78 11.12,50.78 8.27,47.92 8.27,33.66 8.26,33.65 8.26,32.45 8.27,32.44 8.27,31.95
  Bottom w0.1: v1(34.8,51.3) 33.6,50.1 30.8,50.1 v1(30.4,50.5) 30,50.1 25.43,50.1 25.33,50 17.65,50 v1(17.25,50.4)
A3: length 60.7
  Top w0.1: R39.1 v1(36.7,50.3)
  In4.Cu w0.1: v1(36.7,50.3) 36.3,49.9 34.63,49.9 34.43,50.1 31.6,50.1 v1(31.2,49.7) 31.08,49.7 30.68,50.1 25.05,50.1 24.95,50 18.45,50 v1(18.05,49.6) 17.65,50 11.4,50 8.6,47.2 8.6,28.26 14.59,22.28 17.03,22.28 v1(17.45,21.85)
A4: length 54.5
  Top w0.1: R47.1 v1(28.7,56.05)
  In2.Cu w0.1: v1(17.45,22.65) 17.08,22.28 15.42,22.28 10.35,27.35 10.35,48.4 11.92,49.98 12.62,49.98 13.05,50.4 v1(13.25,50.4) 13.51,50.4 13.91,50.8 19.25,50.8 19.35,50.9 26,50.9 v1(26.4,50.5) 26.8,50.9 27.4,50.9 28.2,51.7 28.2,55.55 v1(28.7,56.05)
A5: length 62.8
  Top w0.1: R44.1 v1(36.7,51.3)
  In4.Cu w0.1: 7.95,31.6 7.95,28.2 15.1,21.05 v1(15.85,21.05) ; 7.95,31.6 7.95,48.5 11.03,51.58 16.08,51.58 16.85,50.8 17.65,50.8 v1(18.05,50.4) 18.45,50.8 24.95,50.8 25.05,50.9 30.8,50.9 v1(31.2,50.5) 31.6,50.9 33.55,50.9 34.35,51.7 36.3,51.7 v1(36.7,51.3) ; 7.95,31.6 7.95,31.71
A6: length 56.8
  Top w0.1: R51.1 v1(27.7,54.15)
  In2.Cu w0.1: v1(13.25,51.2) 12.88,51.58 11.51,51.58 9.4,49.47 9.4,26.8 15.54,20.66 18.64,20.66 v1(19.05,20.25)
  Bottom w0.1: v1(13.25,51.2) 13.65,51.6 25.33,51.6 25.43,51.7 26,51.7 v1(26.4,51.3) 26.8,51.7 26.8,53.25 v1(27.7,54.15)
A7: length 63.8
  Top w0.1: R42.1 v1(32.65,54.1)
  In4.Cu w0.1: v1(32.65,54.1) 32.65,53.45 31.6,52.4 31.6,51.7 v1(31.2,51.3) 30.8,51.7 25.05,51.7 24.95,51.6 18.45,51.6 v1(18.05,51.2) 17.65,51.6 16.91,51.6 15.9,52.61 15.88,52.61 15.86,52.63 14.27,52.63 14.22,52.68 11.06,52.68 7.25,48.87 7.25,27.85 15.28,19.83 16,19.83 16.42,20.25 v1(16.65,20.25)
A8: length 59.1
  Top w0.1: R52.1 v1(26.7,56.05)
  In2.Cu w0.1: v1(18.25,20.25) 17.83,19.83 15.58,19.83 8.95,26.46 8.95,49.75 11.58,52.38 12.88,52.38 v1(13.25,52)
  Bottom w0.1: v1(13.25,52) 13.75,52.5 26,52.5 v1(26.4,52.1) ; v1(26.7,56.05) 26.2,55.55 26.2,53.1 26.4,52.9 v1(26.4,52.1) ; v1(26.4,52.1) 26.2,52.3
A9: length 63.1
  In4.Cu w0.1: v1(18.25,21.05) 17.85,20.65 15.05,20.65 7.6,28.1 7.6,48.9 11.08,52.38 14.21,52.38 14.22,52.37 15.69,52.37 16.85,51.2 v1(17.25,51.2)
  Bottom w0.1: v1(31.65,54.1) 31.65,53.2 30.8,52.35 30.8,51.7 v1(30.4,51.3) 30,50.9 25.43,50.9 25.33,50.8 17.65,50.8 v1(17.25,51.2)
A10: length 51.7
  Top w0.1: v1(30.6,54.17) 30.6,54.15
  In2.Cu w0.1: v1(30.6,54.17) 30.6,53.8 29.9,53.1 29.9,51.25 27.2,48.55 v1(27.2,48.1) 26.8,47.7 25.25,47.7 25.15,47.6 14.45,47.6 v1(14.05,48) 13.65,47.6 12.2,47.6 11.75,47.15 11.75,27.9 14.97,24.68 18.41,24.68 18.42,24.69 18.61,24.69 v1(19.05,24.25)
A11: length 56.7
  Top w0.1: R48.1 v1(27.7,56.05)
  In2.Cu w0.1: 15.09,21.85 15.1,21.85 ; 15.09,21.85 15.49,21.45 17.85,21.45 v1(18.25,21.85) ; 15.09,21.85 9.9,27.04 9.9,49.17 11.53,50.8 13.38,50.8 13.78,51.2 v1(14.05,51.2) 14.45,51.6 24.95,51.6 25.05,51.7 26.8,51.7 v1(27.2,51.3) 27.6,51.7 27.6,53.6 27.3,53.9 27.3,55.65 v1(27.7,56.05)
A12: length 52.8
  In2.Cu w0.1: v1(29.65,54.17) 29.55,54.07 29.55,51.6 27.65,49.7 v1(27.2,49.7) 27.2,49.05 26.65,48.5 19.3,48.5 19.2,48.4 15.25,48.4 v1(14.05,49.6) 14.05,49.03 13.22,48.2 11.95,48.2 11.3,47.55 11.3,27.65 15.1,23.85 17.85,23.85 v1(18.25,24.25)
A13: length 66.5
  Top w0.1: R45.1 v1(31.6,56)
  In4.Cu w0.1: 31.15,54.85 31.15,54.9 ; 31.15,54.85 31.15,55.55 v1(31.6,56) ; 31.15,54.85 31.15,52.85 v1(30.4,52.1) 30,52.5 17.75,52.5 v1(17.25,52) 16.35,52.9 10.5,52.9 6.9,49.3 6.9,27.75 15.58,19.08 16.01,19.08 16.22,19.29 16.22,19.56 16.49,19.83 17.03,19.83 v1(17.45,20.25)
A14: length 57.7
  In2.Cu w0.1: v1(16.65,19.45) 16.28,19.08 15.58,19.08 8.55,26.1 8.55,49.9 11.28,52.63 13.42,52.63 v1(14.05,52) 14.6,52.55 26.75,52.55 v1(27.2,52.1) 27.2,53.15 26.7,53.65 v1(26.7,54.17)
BA0: length 65
  Top w0.1: R37.1 v1(36.7,49.35)
  In4.Cu w0.1: v1(18.05,48.8) 18.45,48.4 19.2,48.4 19.3,48.5 30.8,48.5 v1(31.2,48.9) 31.6,48.5 34.35,48.5 34.8,48.95 36.3,48.95 v1(36.7,49.35)
  Bottom w0.1: v1(18.05,48.8) 17.78,48.8 17.38,49.2 16.1,49.2 14.47,50.83 11.62,50.83 8.3,47.5 8.3,26.4 15.62,19.08 17.08,19.08 v1(17.45,19.45)
BA1: length 60.8
  Top w0.1: R46.1 v1(29.7,56.05)
  In2.Cu w0.1: v1(29.7,56.05) 29.2,55.55 29.2,51.78 27.53,50.1 26.92,50.1 26.52,49.7 v1(26.4,49.7) 26,49.3 19.3,49.3 19.2,49.2 15.05,49.2 14.25,50 13.85,50 13.45,49.6 v1(13.25,49.6)
  Bottom w0.1: v1(18.25,19.45) 17.88,19.83 15.58,19.83 14.62,20.78 ; 14.62,20.78 8.75,26.65 8.75,47.1 11.65,50 12.85,50 v1(13.25,49.6) ; 14.62,20.78 14.6,20.8
BA2: length 59.9
  Top w0.1: R38.1 v1(34.8,49.35)
  In4.Cu w0.1: v1(17.25,48.8) 17.65,49.2 19.1,49.2 19.2,49.3 30,49.3 v1(30.4,48.9) 30.8,49.3 34.75,49.3 v1(34.8,49.35)
  Bottom w0.1: v1(19.05,21.05) 18.67,20.68 15.22,20.68 9.15,26.75 9.15,46.65 11.7,49.2 13.38,49.2 13.78,48.8 v1(17.25,48.8)
CAS_N: length 54.3
  Top w0.1: R27.1 v1(36.7,48.4)
  In4.Cu w0.1: 12.38,25.63 12.33,25.68 ; 12.33,25.68 14.56,23.45 v1(15.85,23.45) ; 12.33,25.68 9.5,28.51 9.5,45 12.1,47.6 16.85,47.6 v1(17.25,47.2) 17.65,46.8 19.02,46.8 19.12,46.9 30,46.9 v1(30.4,47.3) 30.8,47.7 34.48,47.7 34.73,47.95 36.25,47.95 v1(36.7,48.4)
CK+: length 50.8
  Top w0.1: R6.1 v1(34.75,46.5)
  Bottom w0.1: v1(15.85,21.85) 15.3,21.85 11.53,25.62 11.53,45.63 11.9,46 13.65,46 v1(14.05,46.4) 14.45,46 24.7,46 24.8,46.1 26.8,46.1 v1(27.2,46.5) 28.25,46.5 29.45,45.3 33.55,45.3 v1(34.75,46.5)
CK-: length 55.1
  Top w0.1: 36.67,46.5 v1(36.65,46.5)
  Bottom w0.1: v1(16.65,21.05) 16.25,21.45 15.2,21.45 11.1,25.55 11.1,45.7 12.2,46.8 13.65,46.8 v1(14.05,47.2) 16.05,47.2 16.45,46.8 24.75,46.8 24.85,46.9 26.8,46.9 v1(27.2,47.3) 28.1,47.3 29.3,46.1 32.8,46.1 33.6,46.9 35.96,46.9 36.36,46.5 v1(36.65,46.5)
CKE: length 66.7
  Top w0.1: TP11.1 9.8,48.85 11.45,47.2 v1(12.45,47.2) 11.55,46.3 11.55,25.58 14.88,22.25 19.45,22.25 v1(19.85,22.65) ; R54.1 v1(34.8,45.5)
  In2.Cu w0.1: v1(12.45,47.2) 12.85,46.8 25.1,46.8 v1(25.6,47.3) 26,46.9 28.85,46.9 29.65,46.1 34.2,46.1 v1(34.8,45.5)
CS_N: length 48.2
  Top w0.1: 14.55,25.65 14.55,25.7 ; 14.55,25.7 14.55,31.2 16.55,33.2 16.55,47.3 16.86,47.61 17.66,47.61 v1(18.05,48) ; 14.55,25.7 14.55,24.85 15.5,23.9 16.77,23.9 17.22,23.45 v1(17.45,23.45) ; R56.1 v1(36.65,47.45)
  Bottom w0.1: v1(18.05,48) 22.2,48 22.7,48.5 29.25,48.5 30.05,47.7 30.8,47.7 v1(31.2,48.1) 31.45,47.85 36.25,47.85 v1(36.65,47.45)
